# Altium PCB Cortes.PcbDoc (part 4 of 4)
Units mil, origin at the board's own origin, x right, y up, seen from the top; angles counter-clockwise.
Board outline 3686.1 x 4034 mil, 6 copper layers (Top Layer, GND, SL1, SL2, PWR, Bottom Layer), stack 33.672 mil thick; 267 components, 325 nets, 1122 pads, 1062 vias.
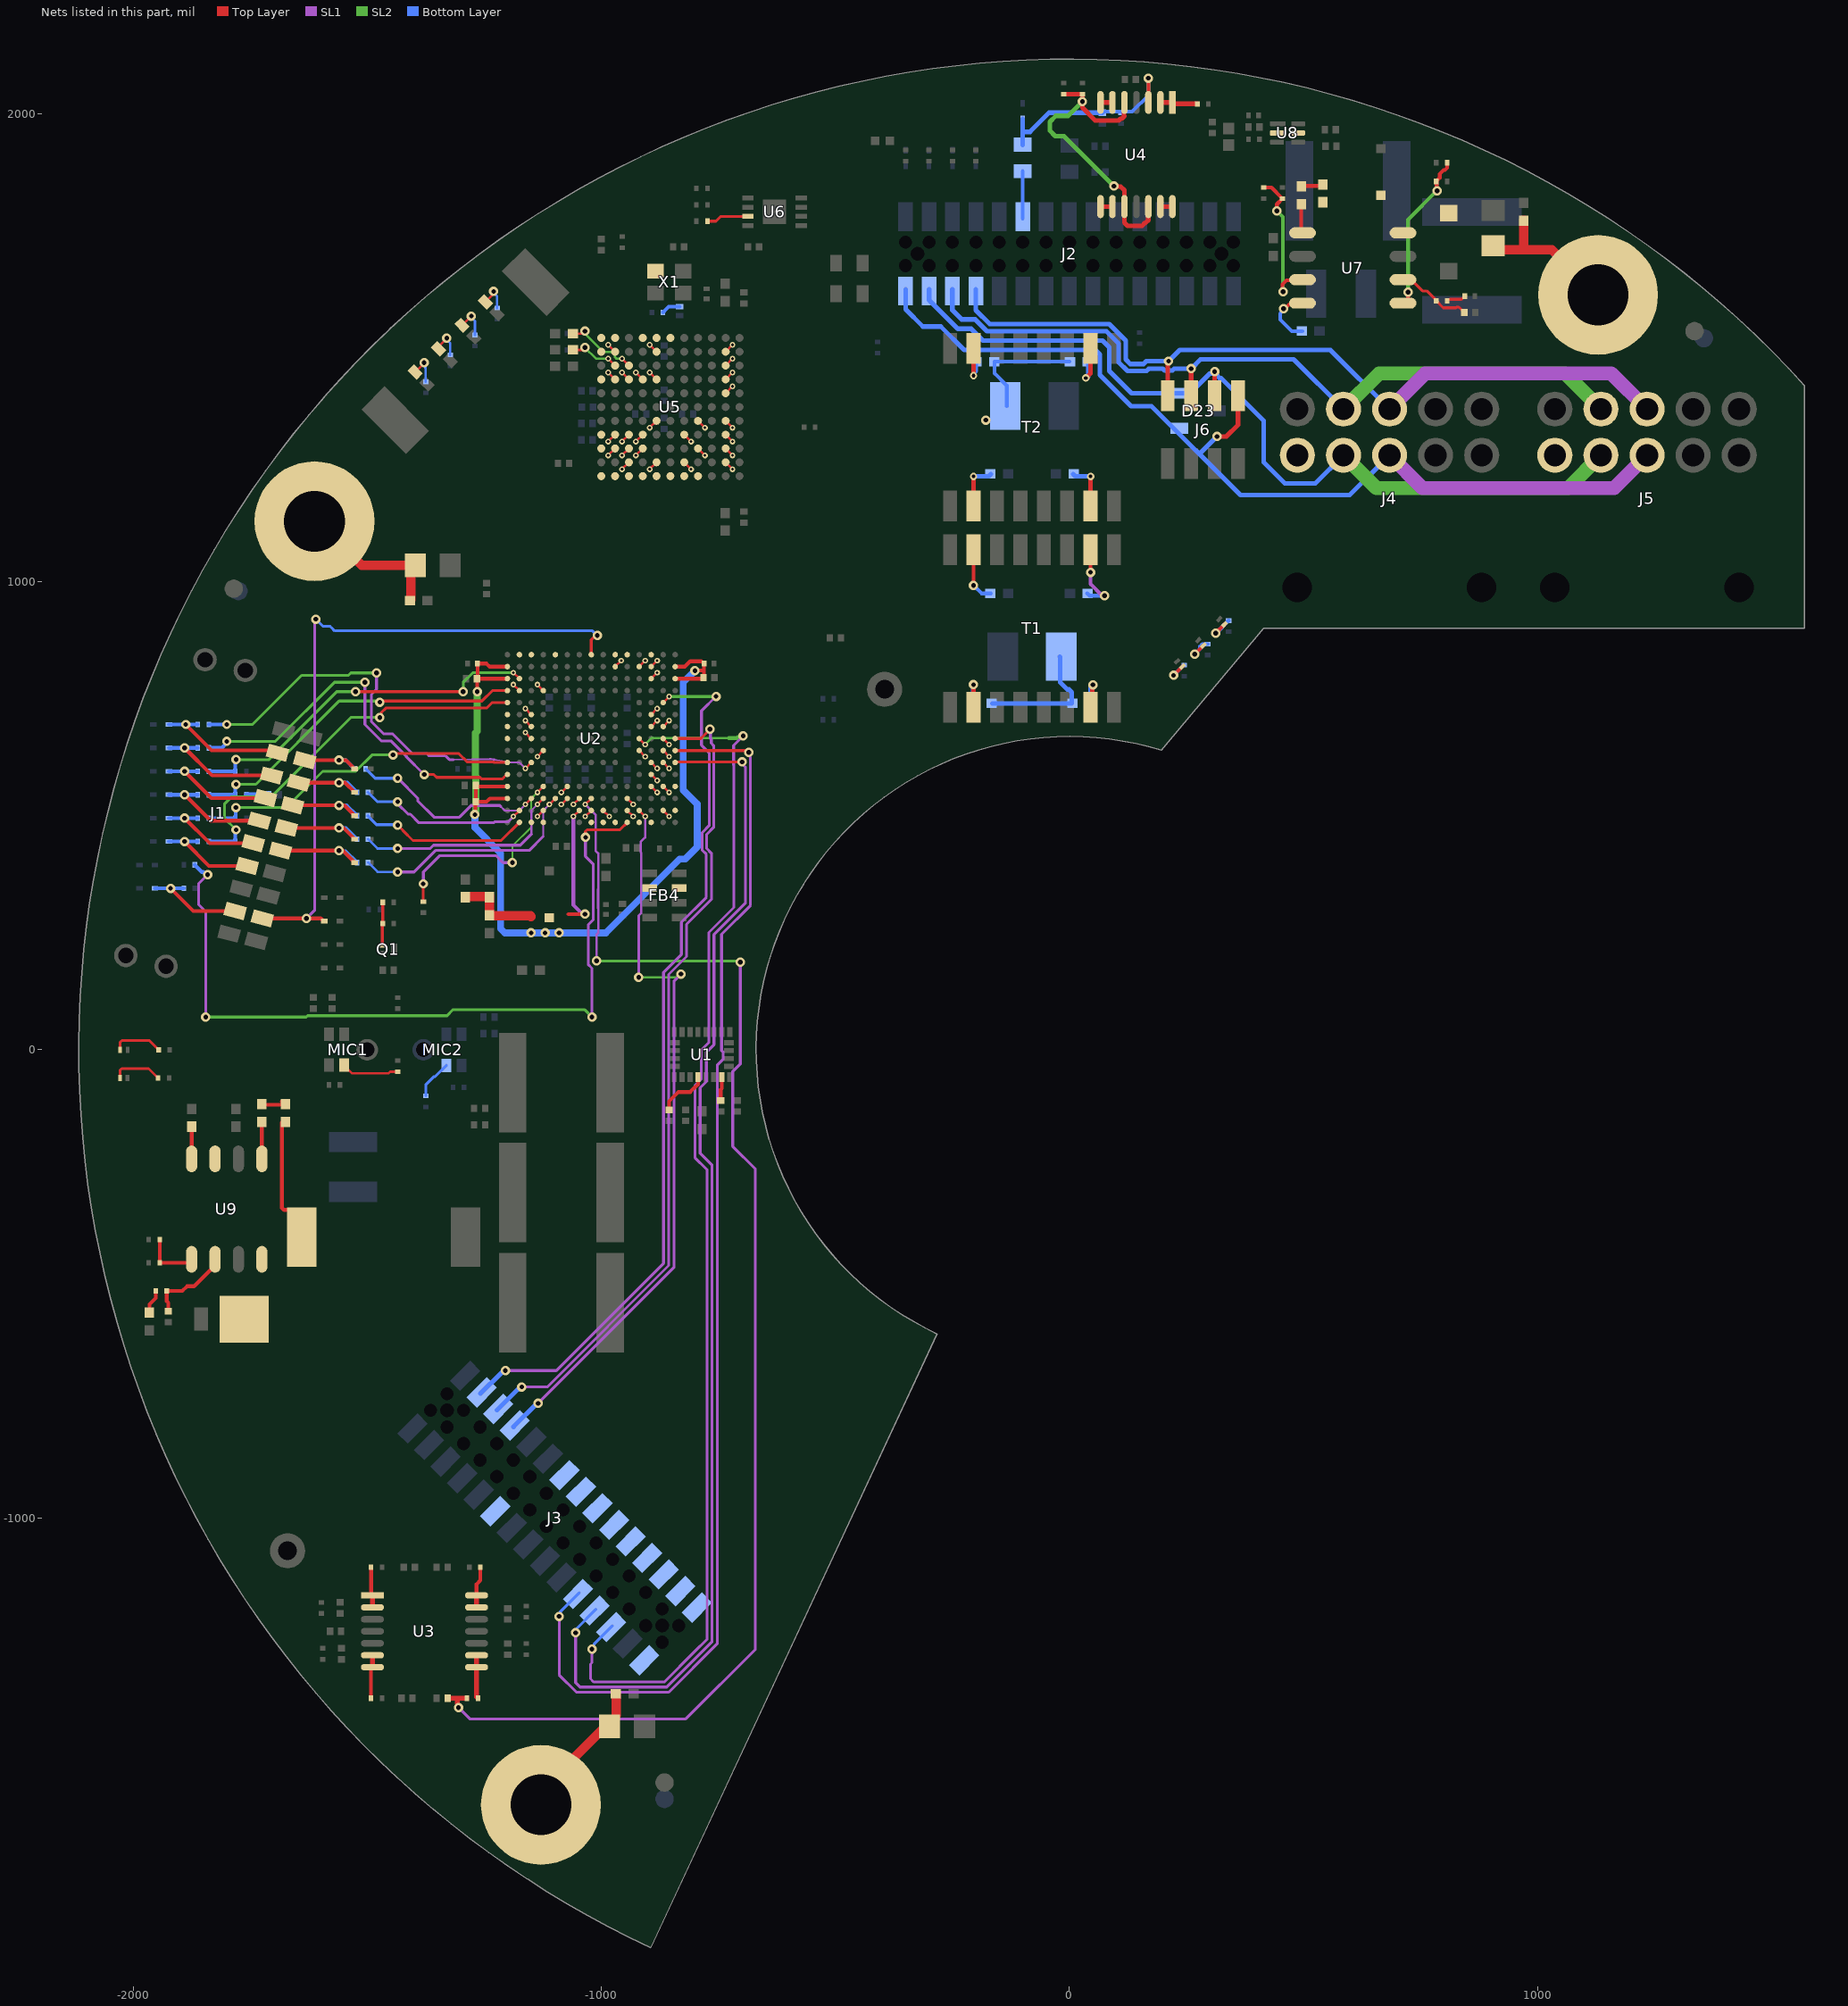
[diagram p8: the nets of this part, all layers, seen from the top]

## Via types
v1: diameter 20, hole 10, Top Layer to Bottom Layer, 497 vias
v2: diameter 20, hole 10, Top Layer to Bottom Layer, tented both sides, 332 vias
v3: diameter 12, hole 6, Top Layer to Bottom Layer, 205 vias
v4: diameter 14, hole 8, Top Layer to Bottom Layer, 21 vias
v5: diameter 16, hole 8, Top Layer to Bottom Layer, 6 vias
v6: diameter 12, hole 6, Top Layer to Bottom Layer, tented both sides, 1 vias

## Nets (pads, with @x,y where several pads share a name; then routed paths per layer and width w, separated by ;. In a path a pad name is that pad's centre, name@x,y a point inside that pad or via, vN(x,y) a via of type N, cw(c..) or ccw(c..) an arc to the next point about the centre after c; other vN are vias at no path point) (continued)
MOTOR_THERM3_ADC: C21.1 R42.2 U2.H3 | length 2936.1
  Top Layer w5: v3(-1034.21,524.2) U2.H3@-1021.42,536.99
  Top Layer w10: C21.1@-1328.19,-1385 -1307.5,-1385 ; v1(-1305,-1405) -1306.91,-1403.09 -1306.91,-1396.02 -1307.5,-1395.43 -1307.5,-1385 ; R42.2@-1286.81,-1385 -1307.5,-1385
  SL1 w5: v3(-1034.21,524.2) -1012,501.98 -1012,425.34 -1006.5,419.84 -1006.5,383.45 -1006.5,343.19 -1006.82,342.88 -1006.82,302.12 -1006.5,301.8 -1006.5,249.68 -1010,246.18 v1(-1010,190)
  SL1 w6: v1(-1305,-1405) -1281,-1429 -819.56,-1429 -671,-1280.44 -671,-254.56 -719.38,-206.18 -719.38,-46.3 -703,-29.93 v1(-703,187.46)
  SL2 w6: v1(-1010,190) -705.54,190 v1(-703,187.46)
nBUTTON: D2.K J1.18 U2.H15 | length 1447.2
  Top Layer w6: U2.H15@-1021.42,844.08 -1021.42,876.02 -1017.9,879.53 -1017.76,879.53 -1012.29,885 v1(-1008.5,885)
  Top Layer w8: J1.18@-1724.17,280.83 v1(-1630,280.83) -1599.31,280.83 -1594.62,276.14 -1594.62,275.92 -1593.7,275 D2.K@-1591.54,275
  SL1 w6: v1(-1630,280.83) -1612,298.83 -1612,918 v1(-1610,920)
  Bottom Layer w6: v1(-1610,920) -1595,905 -1580,905 -1576,901 -1575.44,901 -1569.44,895 -1315.71,895 -1019.01,895 -1009.01,885 v1(-1008.5,885)
nECAT_EEPROM_EN: R49.2 U6.7 | length 90.1
  Top Layer w6: R49.2@-773.19,1770 -755,1770 -745,1780 -720,1780 ; -719.84,1780.16 U6.7@-687.09,1780.16
NetC1_1: C1.1 M3.1 R1.2 | length 322.3
  Top Layer w20: R1.2@905,1708.74 1030.18,1708.74 M3.1@1126.32,1612.6 ; 970,1711.15 C1.1@970,1772.28
NetC5_1: C5.1 U1.21 | length 110.5
  Top Layer w8: C5.1@-855,-128.19 -855,-110 -835,-90 -810,-90 -798.46,-78.46 -798.15,-78.46 -793.46,-73.78 U1.21@-793.46,-58.03
NetC6_1: C6.1 U1.24 | length 51.1
  Top Layer w8: C6.1@-745,-108.19 -745,-85 -742.68,-82.68 U1.24@-742.68,-58.03
NetC12_1: C12.1 R27.1 | length 46.4
  Bottom Layer w10: R27.1@-1758.19,545 C12.1@-1711.81,545
NetC18_1: C18.1 D18.K FB3.1 R37.1 U4.3 | length 446.3
  Top Layer w8: U4.3@168.54,2023.62 v1(168.54,2075.41)
  Bottom Layer w8: C18.1@67.6,2003.86 133.86,2003.86 168.54,2038.54 v1(168.54,2075.41)
  Bottom Layer w10: FB3.1@-100,1933.15 -100,1960.81 ; D18.K@-100,1988.46 -100,1960.81 ; C18.1@70,2001.81 -43.19,2001.81 -84.19,1960.81 -100,1960.81
NetC45_1: C45.1 R79.2 | length 44
  Top Layer w8: R79.2@495,1845.18 C45.1@538.99,1845.18
NetC45_2: C45.2 D24.K L2.1 U7.8
NetC52_1: C52.1 U7.4 | length 130.2
  Top Layer w8: v1(457,1583) 460.25,1583 469.26,1592.01 495.71,1592.01 U7.4@498.7,1595
  Bottom Layer w8: v1(457,1583) 457,1579.75 450,1572.75 450,1560 475,1535 C52.1@497.28,1535
NetC60_1: C60.1 T1.7 | length 120.3
  Top Layer w8: v1(-205,991.95) T1.7@-205,1067.91
  Bottom Layer w8: v1(-205,991.95) -188.05,975 C60.1@-167.72,975
NetC61_1: C61.1 T1.2 | length 152.6
  Top Layer w8: v1(45,1020) T1.2@45,1067.91
  SL1 w8: v1(45,1020) 45,995 70,970 v1(75,970)
  Bottom Layer w8: C61.1@37.72,975 42.72,970 v1(75,970)
NetC62_1: C62.1 T2.7 | length 102.3
  Top Layer w10: T2.7@45,1162.09 v5(45,1225)
  Bottom Layer w10: C62.1@7.72,1230 12.72,1225 v5(45,1225)
NetC63_1: C63.1 T2.2 | length 102.3
  Top Layer w10: T2.2@-205,1162.09 v5(-205,1225)
  Bottom Layer w10: v5(-205,1225) -172.72,1225 C63.1@-167.72,1230
NetC64_1: C64.1 R71.1 R72.1 | length 282.5
  Bottom Layer w10: R72.1@-164.82,740 4.82,740 4.82,763.87 -1.04,769.73 -4.73,769.73 -20,785 -20,839.06 C64.1@-20.94,840
NetC65_1: C65.1 R73.1 R74.1 | length 265.5
  Bottom Layer w8: C65.1@-134.06,1375 -134.06,1419.06 -160,1445 -160,1469.82 -159.82,1470 R74.1@-0.18,1470
  other v2: -178.91,1345.16
NetC95_1: C95.1 R62.2 U7.6 | length 163.2
  Top Layer w6: U7.6@711.3,1645 730,1645 753.93,1621.07 763.1,1621.07 783.19,1600.98 R62.2@783.19,1600 798.11,1585.08 825.35,1585.08 826.74,1586.48 831.71,1586.48 838.32,1579.87 839.3,1579.87 843.19,1575.98 C95.1@843.19,1575
NetC96_1: C96.1 R62.1 | length 43
  Top Layer w6: R62.1@806.81,1600 806.81,1600.98 808.73,1602.91 812.14,1602.91 812.25,1603.01 837.38,1603.01 841.07,1606.7 842.25,1606.7 844.37,1608.82 C96.1@844.37,1610
NetC97_1: C97.1 R80.2 | length 61.3
  Top Layer w8: R80.2@-1725,-114.82 -1722.54,-117.28 -1675,-117.28 C97.1@-1682.28,-110
NetC97_2: C97.2 D25.K L3.1 U9.8 | length 237.7
  Top Layer w8: C97.2@-1682.28,-155 -1682.28,-337.26 -1677.6,-341.94 -1667.69,-341.94 L3.1@-1640.2,-369.44
NetC98_1: C98.1 U9.4 | length 71
  Top Layer w8: U9.4@-1875,-233.7 C98.1@-1875,-162.72
NetC99_2: C99.2 R77.2 U9.6 | length 184.2
  Top Layer w8: C99.2@-1925,-558.19 -1925,-540 -1928.19,-536.81 R77.2@-1928.19,-515 -1895,-515 -1885,-505 -1870,-505 -1825,-460 U9.6@-1825,-446.3
NetC100_1: C100.1 R77.1 | length 52.7
  Top Layer w8: C100.1@-1965,-562.28 -1965,-543.5 -1951.81,-530.31 R77.1@-1951.81,-515
NetC102_1: C102.1 M1.1 R81.2 | length 241.4
  Top Layer w20: M1.1@-1129.13,-1582.87 R81.2@-991.26,-1445 ; R81.2@-967.72,-1421.46 C102.1@-967.72,-1375
NetC103_1: C103.1 M2.1 R82.2 | length 312
  Top Layer w20: M2.1@-1605.77,1129.13 -1511.64,1035 -1406.26,1035 C103.1@-1406.26,961.46
NetD4_K: D4.K J1.4 R15.1 | length 155.9
  Top Layer w8: J1.4@-1633.59,618.9 v1(-1560,618.9) -1545.44,618.9 D4.K@-1526.54,600
  Bottom Layer w8: v1(-1560,618.9) -1559.59,618.49 -1545.3,618.49 R15.1@-1526.81,600
NetD5_K: D5.K J1.6 R17.1 | length 175.3
  Top Layer w8: J1.6@-1646.53,570.61 v1(-1560,570.61) -1547.14,570.61 D5.K@-1526.54,550
  Bottom Layer w8: v1(-1560,570.61) -1542.42,570.61 R17.1@-1521.81,550
NetD6_K: D6.K J1.8 R19.1 | length 189.6
  Top Layer w8: J1.8@-1659.47,522.31 v1(-1560,522.31) -1548.85,522.31 D6.K@-1526.54,500
  Bottom Layer w8: v1(-1560,522.31) -1544.12,522.31 R19.1@-1521.81,500
NetD7_K: D7.K J1.10 R21.1 | length 204
  Top Layer w8: J1.10@-1672.41,474.01 v1(-1560,474.01) -1550.55,474.01 D7.K@-1526.54,450
  Bottom Layer w8: v1(-1560,474.01) -1559.53,473.54 -1545.36,473.54 R21.1@-1521.81,450
NetD8_K: D8.K J1.12 R23.1 | length 218.3
  Top Layer w8: J1.12@-1685.35,425.72 v1(-1560,425.72) -1552.25,425.72 D8.K@-1526.54,400
  Bottom Layer w8: v1(-1560,425.72) -1558.68,424.4 -1546.21,424.4 R23.1@-1521.81,400
NetD9_K: D9.K J1.3 R14.2 | length 282.7
  Top Layer w8: v1(-1887.48,695) -1832.48,640 -1697.11,640 J1.3@-1691.54,634.43
  Bottom Layer w8: D9.K@-1923.46,695 v1(-1887.48,695) R14.2@-1861.81,695
NetD10_K: D10.K J1.5 R16.2 | length 280.8
  Top Layer w8: v1(-1890,645) -1831.14,586.14 J1.5@-1704.48,586.14 J1.5@-1711.05,592.7
  Bottom Layer w8: D10.K@-1923.46,645 v1(-1890,645) R16.2@-1861.81,645
NetD11_K: D11.K J1.7 R18.2 | length 271.9
  Top Layer w8: v1(-1890,595) -1832.84,537.84 J1.7@-1717.42,537.84 J1.7@-1727.29,547.7
  Bottom Layer w8: D11.K@-1923.46,595 v1(-1890,595) R18.2@-1861.81,595
NetD12_K: D12.K J1.9 R20.2 | length 255.8
  Top Layer w8: v1(-1890,545) -1834.54,489.54 J1.9@-1730.36,489.54 J1.9@-1738.53,497.7
  Bottom Layer w8: D12.K@-1923.46,545 v1(-1890,545) R20.2@-1861.81,545
NetD13_K: D13.K J1.11 R22.2 | length 243
  Top Layer w8: v1(-1890,495) -1836.25,441.25 J1.11@-1743.31,441.25 J1.11@-1752.06,450
  Bottom Layer w8: D13.K@-1923.46,495 v1(-1890,495) R22.2@-1861.81,495
NetD14_K: D14.K J1.13 R24.2 | length 230.8
  Top Layer w8: v1(-1890,445) -1837.95,392.95 J1.13@-1756.25,392.95 J1.13@-1766,402.7
  Bottom Layer w8: D14.K@-1923.46,445 v1(-1890,445) R24.2@-1861.81,445
NetD16_K: D16.K J1.17 R26.2 | length 228.6
  Top Layer w8: v1(-1920,345) -1871.36,296.36 J1.17@-1782.13,296.36 J1.17@-1788.47,302.7
  Bottom Layer w8: D16.K@-1953.46,345 v1(-1920,345) R26.2@-1891.81,345
NetFB1_1: FB1.1 R50.2 | length 40.9
  Bottom Layer w8: R50.2@-868.19,1575 -868.19,1575.98 -867.27,1576.91 -866.28,1576.91 -855.86,1587.33 FB1.1@-832.93,1587.33
NetFB3_2: FB3.2 J2.20 | length 101.1
  Bottom Layer w8: J2.20@-100,1775.79 FB3.2@-100,1876.85
NetFB4_2: FB4.2
NetFB4_6: FB4.6
NetJ3_12: J3.12
NetJ3_13: J3.13
NetJ3_15: J3.15
NetJ3_17: J3.17
NetJ3_19: J3.19
NetJ3_21: J3.21
NetJ3_23: J3.23
NetJ3_25: J3.25
NetJ3_27: J3.27
NetJ3_29: J3.29
NetJ3_30: J3.30
NetJ4_10: J4.10
NetJ5_10: J5.10
NetLED1_K: LED1.K R31.2 | length 108.5
  Top Layer w6: LED1.K@-2027.6,0 -2027.6,16.49 -2024.09,20 -1965.33,20 R31.2@-1945.33,0
NetLED2_K: LED2.K R33.2 | length 107.3
  Top Layer w6: LED2.K@-2027.87,-60 -2027.87,-43.51 -2024.36,-40 -1966.81,-40 R33.2@-1946.81,-60
NetLED3_K: LED3.K R47.2 | length 71.8
  Top Layer w5: LED3.K@-1297.53,1547.53 -1277.71,1567.34 v1(-1277.59,1567.34)
  Bottom Layer w5: v1(-1277.59,1567.34) -1277.59,1564.5 -1270,1556.91 R47.2@-1270,1526.81
NetLED4_K: LED4.K R48.2 | length 68.6
  Top Layer w5: LED4.K@-1347.53,1497.53 -1347.53,1502.47 v1(-1330,1520)
  Bottom Layer w5: v1(-1330,1520) -1330,1517.1 -1322.47,1509.57 R48.2@-1322.47,1484.28
NetLED5_K: LED5.K R51.2 | length 70.9
  Top Layer w5: LED5.K@-1397.53,1447.53 -1378.54,1466.52 v1(-1378.54,1467.96)
  Bottom Layer w5: v1(-1378.54,1467.96) -1375.67,1465.09 -1375.67,1456.61 -1375,1455.94 R51.2@-1375,1426.81
NetLED6_K: LED6.K R54.2 | length 68.6
  Top Layer w5: LED6.K@-1247.53,1597.53 -1233.5,1611.56 -1233.5,1612.44 -1230,1615.94 v1(-1230,1620)
  Bottom Layer w5: v1(-1230,1620) -1230,1617.1 -1222.47,1609.57 R54.2@-1222.47,1584.28
NetLED7_K: LED7.K R59.1 | length 58.4
  Top Layer w8: v1(222.27,800) LED7.K@241.14,818.86
  Bottom Layer w8: v1(222.27,800) 244.08,821.81 R59.1@245,821.81
NetLED8_K: LED8.K R61.1 | length 66.5
  Top Layer w8: v1(267.27,845) LED8.K@286.14,863.86
  Bottom Layer w8: v1(267.27,845) 279.09,856.82 279.09,862.12 283.78,866.81 R61.1@295,866.81
NetLED9_K: LED9.K R64.1 | length 64.6
  Top Layer w8: v1(312.27,890) LED9.K@331.14,908.86
  Bottom Layer w8: v1@313.19,890 R64.1@340,916.81
NetMIC2_2: MIC2.2 R8.2 | length 85.2
  Bottom Layer w6: R8.2@-1375,-98.19 -1375,-74.54 -1357.46,-57 -1354.74,-57 MIC2.2@-1330.71,-32.97
NetQ1_1: Q1.1 R29.2 R30.2 | length 93.5
  Top Layer w6: Q1.1@-1467.8,221.89 -1467.8,269.02 R29.2@-1466.81,270 R30.2@-1466.81,315
NetR36_1: R36.1 U3.1 U3.2 | length 86.9
  Top Layer w9: R36.1@-1491.81,-1105 -1491.81,-1162.17 U3.1@-1488.86,-1165.12
  Top Layer w10: U3.2@-1488.86,-1190.71 U3.1@-1488.86,-1165.12
NetR38_1: R38.1 U4.1 U4.2 | length 80.7
  Top Layer w10: U4.2@194.13,2023.62 U4.1@219.72,2023.62 219.72,2022.48 221.61,2020.59 R38.1@272.95,2020.59
NetR40_1: R40.1 U3.6 U3.7 | length 93.2
  Top Layer w8: R40.1@-1491.81,-1385 -1491.81,-1321.61 U3.7@-1488.86,-1318.66
  Top Layer w10: U3.7@-1488.86,-1318.66 U3.6@-1488.86,-1293.07
NetR42_1: R42.1 U3.8 U3.9 | length 93.3
  Top Layer w10: U3.9@-1266.42,-1293.07 U3.8@-1266.42,-1318.66 -1266.42,-1381.77 R42.1@-1263.19,-1385
NetR44_1: R44.1 U3.13 U3.14 | length 89.1
  Top Layer w8: U3.14@-1266.42,-1165.12 -1266.42,-1141.42 -1258.19,-1133.19 R44.1@-1258.19,-1105
  Top Layer w10: U3.13@-1266.42,-1190.71 U3.14@-1266.42,-1165.12
NetR55_1: R55.1 R56.2 U7.3 | length 323.7
  Top Layer w8: R55.1@415,1841.81 431.38,1841.81 453.09,1820.09 453.09,1819.11 454.02,1818.19 R56.2@455,1818.19 443.01,1806.2 v1(443.01,1791.99) ; v1(456.06,1619.25) 455,1620.32 455,1635 463.66,1643.66 497.36,1643.66 U7.3@498.7,1645
  SL2 w8: v1(443.01,1791.99) 456.06,1778.94 v1(456.06,1619.25)
NetR57_1: R57.1 R58.2 U7.5 | length 344.9
  Top Layer w8: U7.5@711.3,1595 716.04,1595 723.25,1602.22 v2(723.25,1618.19) ; v2@784.09,1835.91 784.09,1854.09 R58.2@783.19,1855 783.19,1855.98 784.11,1856.91 785.09,1856.91 790.78,1862.59 790.78,1870.78 799.09,1879.09 802.12,1879.09 806.81,1883.78 R57.1@806.81,1895
  SL2 w8: v2(723.25,1618.19) 723.25,1773.25 v2(785,1835)
NetR63_1: R63.1 R78.2 U9.5 | length 121.8
  Top Layer w8: R78.2@-1943.19,-405 R63.1@-1943.19,-455 -1883.7,-455 U9.5@-1875,-446.3
NetR71_2: R71.2 T1.15 | length 91.7
  Top Layer w10: T1.15@45,732.09 48.83,735.91 48.83,778.3 v1(50.26,779.74)
  Bottom Layer w10: R71.2@45.18,740 45.18,771.94 50.26,777.03 v1(50.26,779.74)
NetR72_2: R72.2 T1.10 | length 88
  Top Layer w10: T1.10@-205,732.09 v1(-205,780)
  Bottom Layer w10: R72.2@-205.18,740 -205.18,779.82 v1(-205,780)
NetR73_2: R73.2 T2.15 | length 90.1
  Top Layer w10: v5(-205,1440) T2.15@-205,1497.91
  Bottom Layer w10: v5(-205,1440) -203.85,1441.15 -203.85,1446.31 -200,1450.16 -200,1469.82 R73.2@-200.18,1470
NetR74_2: R74.2 T2.10 | length 105.7
  Top Layer w10: v5(35,1435) 45,1445 T2.10@45,1497.91
  Bottom Layer w10: v5(35,1435) 37.49,1435 40.18,1437.68 R74.2@40.18,1470
NetR75_1: R75.1 R76.2 U4.5 U4.10 U4.12 | length 679
  Top Layer w10: R76.2@-12.4,2041.14 R75.1@27.6,2041.14 v1(27.6,2025.41) 27.6,2012.4 55,1985 105,1985 108.88,1988.88 111.5,1988.88 117.36,1994.74 116.43,1995.67 116.43,2003.95 117.36,2004.88 U4.5@117.36,2023.62 ; v1(95,1845) 96.04,1843.96 109.32,1843.96 117.36,1835.92 U4.10@117.36,1801.18 117.36,1766.44 123.8,1760 155,1760 161.44,1766.44 162.69,1766.44 168.54,1772.3 U4.12@168.54,1801.18
  SL2 w10: v1(27.6,2025.41) -2.81,1995 -29.14,1995 -41.83,1982.31 -41.83,1963.55 -30.12,1951.83 -11.83,1951.83 v1(95,1845)
NetR79_1: R79.1 U7.1 | length 61.4
  Top Layer w8: R79.1@495,1804.82 495,1748.7 U7.1@498.7,1745
NetR80_1: R80.1 U9.1 | length 78.5
  Top Layer w8: U9.1@-1725,-233.7 R80.1@-1725,-155.18
NetR85_1: R85.1 U5.J9 | length 155.5
  Top Layer w5: R85.1@-1059.82,1530 -1040.47,1530 v2@-1035.47,1535 ; v3(-955.81,1476.38) U5.J9@-941.04,1461.62
  SL2 w5: v2(-1035,1535) -1035,1530 -995.88,1490.88 -979.33,1490.88 -970.83,1482.39 -970.83,1479.31 -967.91,1476.38 v3(-955.81,1476.38)
NetR86_1: R86.1 U5.J10 | length 106.7
  Top Layer w5: R86.1@-1059.82,1495 -1040.47,1495 v2@-1035.47,1500 ; v3(-985.33,1476.38) U5.J10@-970.57,1461.62
  SL2 w5: v2(-1035,1500) -1011.38,1476.38 v3(-985.33,1476.38)
NetU2_A8: U2.A8
NetU2_A9: U2.A9
NetU2_A10: U2.A10
NetU2_B12: U2.B12 | length 18.1
  Top Layer w5: v3(-1187.76,780.1) U2.B12@-1174.96,767.31
NetU2_B15: U2.B15
NetU2_C1: U2.C1
NetU2_C8: U2.C8 | length 18.1
  Top Layer w5: v3(-1162.17,677.74) U2.C8@-1149.37,664.94
NetU2_C9: U2.C9 | length 18.1
  Top Layer w5: v3(-1162.17,703.33) U2.C9@-1149.37,690.54
NetU2_C10: U2.C10 | length 18.1
  Top Layer w5: v3(-1162.17,728.92) U2.C10@-1149.37,716.13
NetU2_C15: U2.C15
NetU2_D1: U2.D1
NetU2_D2: U2.D2 | length 18.1
  Top Layer w5: v3(-1136.57,498.61) U2.D2@-1123.78,511.4
NetU2_D7: U2.D7 | length 18.1
  Top Layer w5: v3(-1136.57,626.56) U2.D7@-1123.78,639.35
NetU2_D12: U2.D12 | length 18.1
  Top Layer w5: v3(-1136.57,780.1) U2.D12@-1123.78,767.31
NetU2_E15: U2.E15
NetU2_F3: U2.F3 | length 18.1
  Top Layer w5: v3(-1085.39,524.2) U2.F3@-1072.6,536.99
NetU2_F4: U2.F4 | length 18.1
  Top Layer w5: v3(-1085.39,549.79) U2.F4@-1072.6,562.58
NetU2_G3: U2.G3 | length 18.1
  Top Layer w5: v3(-1059.8,524.2) U2.G3@-1047.01,536.99
NetU2_H1: U2.H1
NetU2_H2: U2.H2 | length 18.1
  Top Layer w5: v3(-1034.21,498.61) U2.H2@-1021.42,511.4
NetU2_J1: U2.J1
NetU2_J2: U2.J2 | length 18.1
  Top Layer w5: U2.J2@-995.83,511.4 v3(-983.03,498.61)
NetU2_K1: U2.K1
NetU2_K14: U2.K14 | length 18.1
  Top Layer w5: U2.K14@-970.24,818.49 v3(-957.44,831.28)
NetU2_K15: U2.K15
NetU2_L2: U2.L2 | length 18.1
  Top Layer w5: U2.L2@-944.65,511.4 v3(-931.85,498.61)
NetU2_L3: U2.L3 | length 18.1
  Top Layer w5: U2.L3@-944.65,536.99 v3(-931.85,524.2)
NetU2_L15: U2.L15
NetU2_M1: U2.M1
NetU2_M7: U2.M7 | length 18.1
  Top Layer w5: U2.M7@-919.05,639.35 v3(-906.26,626.56)
NetU2_M14: U2.M14 | length 18.1
  Top Layer w5: U2.M14@-919.05,818.49 v3(-906.26,831.28)
NetU2_N1: U2.N1
NetU2_N4: U2.N4 | length 18.1
  Top Layer w5: U2.N4@-893.46,562.58 v3(-880.67,549.79)
NetU2_N5: U2.N5 | length 18.1
  Top Layer w5: U2.N5@-893.46,588.17 v3(-880.67,575.38)
NetU2_N6: U2.N6 | length 18.1
  Top Layer w5: U2.N6@-893.46,613.76 v3(-880.67,600.97)
NetU2_N9: U2.N9 | length 18.1
  Top Layer w5: U2.N9@-893.46,690.54 v3(-880.67,703.33)
NetU2_N10: U2.N10 | length 18.1
  Top Layer w5: U2.N10@-893.46,716.13 v3(-880.67,728.92)
NetU2_N13: U2.N13 | length 18.1
  Top Layer w5: U2.N13@-893.46,792.9 v3(-880.67,805.69)
NetU2_N14: U2.N14 | length 18.1
  Top Layer w5: U2.N14@-893.46,818.49 v3(-880.67,831.28)
NetU2_N15: U2.N15
NetU2_P2: U2.P2 | length 18.1
  Top Layer w5: U2.P2@-867.87,511.4 v3(-855.08,498.61)
NetU2_P4: U2.P4 | length 18.1
  Top Layer w5: U2.P4@-867.87,562.58 v3(-855.08,549.79)
NetU2_P6: U2.P6 | length 18.1
  Top Layer w5: U2.P6@-867.87,613.76 v3(-855.08,600.97)
NetU2_P7: U2.P7 | length 18.1
  Top Layer w5: U2.P7@-867.87,639.35 v3(-855.08,626.56)
NetU2_P8: U2.P8 | length 18.1
  Top Layer w5: U2.P8@-867.87,664.94 v3(-855.08,652.15)
NetU2_P9: U2.P9 | length 18.1
  Top Layer w5: U2.P9@-867.87,690.54 v3(-855.08,703.33)
NetU2_R2: U2.R2
NetU2_R4: U2.R4
NetU4_6: U4.6 U4.7 | length 25.6
  Top Layer w10: U4.7@66.18,2023.62 U4.6@91.77,2023.62
NetU4_8: U4.8 U4.9 | length 25.6
  Top Layer w10: U4.8@66.18,1801.18 U4.9@91.77,1801.18
NetU4_13: U4.13 U4.14 | length 25.6
  Top Layer w10: U4.13@194.13,1801.18 U4.14@219.72,1801.18
NetU5_A4: U5.A4
NetU5_A5: U5.A5
NetU5_A6: U5.A6
NetU5_A7: U5.A7
NetU5_A8: U5.A8
NetU5_A9: U5.A9
NetU5_A10: U5.A10
NetU5_A11: U5.A11
NetU5_B2: U5.B2 | length 20.9
  Top Layer w5: U5.B2@-734.35,1254.93 v3(-719.59,1240.16)
NetU5_B5: U5.B5 | length 20.9
  Top Layer w5: U5.B5@-822.93,1254.93 v3(-808.17,1240.16)
NetU5_B7: U5.B7 | length 20.9
  Top Layer w5: v3(-896.75,1240.16) U5.B7@-881.99,1254.93
NetU5_B9: U5.B9 | length 20.9
  Top Layer w5: v3(-955.81,1240.16) U5.B9@-941.04,1254.93
NetU5_C2: U5.C2 | length 20.9
  Top Layer w5: U5.C2@-734.35,1284.45 v3(-719.59,1269.69)
NetU5_C4: U5.C4 | length 20.9
  Top Layer w5: U5.C4@-793.41,1284.45 v3(-778.64,1269.69)
NetU5_C8: U5.C8 | length 20.9
  Top Layer w5: v3(-926.28,1269.69) U5.C8@-911.52,1284.45
NetU5_C9: U5.C9 | length 20.9
  Top Layer w5: v3(-955.81,1269.69) U5.C9@-941.04,1284.45
NetU5_C10: U5.C10 | length 20.9
  Top Layer w5: v3(-985.33,1269.69) U5.C10@-970.57,1284.45
NetU5_C11: U5.C11
NetU5_D2: U5.D2 | length 20.9
  Top Layer w5: U5.D2@-734.35,1313.98 v3(-719.59,1299.22)
NetU5_D5: U5.D5 | length 20.9
  Top Layer w5: U5.D5@-822.93,1313.98 v3(-808.17,1299.22)
NetU5_D8: U5.D8 | length 20.9
  Top Layer w5: v3(-926.28,1299.22) U5.D8@-911.52,1313.98
NetU5_D9: U5.D9 | length 21.2
  Top Layer w5: v3(-955.81,1299.22) U5.D9@-941.04,1313.98 U5.D9@-941.35,1313.98
NetU5_D10: U5.D10 | length 20.9
  Top Layer w5: v3(-985.33,1299.22) U5.D10@-970.57,1313.98
NetU5_D11: U5.D11
NetU5_E2: U5.E2 | length 20.9
  Top Layer w5: U5.E2@-734.35,1343.51 v3(-719.59,1328.74)
NetU5_E4: U5.E4 | length 20.9
  Top Layer w5: U5.E4@-793.41,1343.51 v3(-778.64,1328.74)
NetU5_E7: U5.E7 | length 20.9
  Top Layer w5: v3(-896.75,1328.74) U5.E7@-881.99,1343.51
NetU5_G2: U5.G2 | length 20.9
  Top Layer w5: U5.G2@-734.35,1402.56 v3(-719.59,1417.33)
NetU5_H2: U5.H2 | length 20.9
  Top Layer w5: U5.H2@-734.35,1432.09 v3(-719.59,1446.85)
NetU5_H7: U5.H7 | length 20.9
  Top Layer w5: v3(-896.75,1446.85) U5.H7@-881.99,1432.09
NetU5_H8: U5.H8 | length 20.9
  Top Layer w5: v3(-926.28,1446.85) U5.H8@-911.52,1432.09
NetU5_H9: U5.H9 | length 20.9
  Top Layer w5: v3(-955.81,1446.85) U5.H9@-941.04,1432.09
NetU5_H10: U5.H10 | length 20.9
  Top Layer w5: v3(-985.33,1446.85) U5.H10@-970.57,1432.09
NetU5_H11: U5.H11
NetU5_J2: U5.J2 | length 20.9
  Top Layer w5: U5.J2@-734.35,1461.62 v3(-719.59,1476.38)
NetU5_K2: U5.K2 | length 20.9
  Top Layer w5: U5.K2@-734.35,1491.15 v3(-719.59,1505.91)
NetU5_K7: U5.K7 | length 20.9
  Top Layer w5: v3(-896.75,1505.91) U5.K7@-881.99,1491.15
NetU5_K10: U5.K10 | length 20.9
  Top Layer w5: v3(-985.33,1505.91) U5.K10@-970.57,1491.15
NetU5_K11: U5.K11
NetU5_L6: U5.L6
NetU5_L7: U5.L7
NetU5_L8: U5.L8
NetU5_L10: U5.L10
NetU5_L11: U5.L11
NetU8_2: U8.2
NetU8_5: U8.5
NetU9_3: U9.3
NetX1_1: X1.1
nRST: R25.1 U2.L1 | length 1701.2
  Top Layer w6: v1(-1033.5,454.01) -1034.01,454.52 -1034.01,466.39 -1030.49,469.91 -960.55,469.91 U2.L1@-944.65,485.81
  SL1 w6: v1(-1845,70) -1845,295 -1860,310 -1860,355.1 v1(-1840.92,374.18) ; v1(-1033.5,454.01) -1034.01,453.5 -1034.01,413.52 -1017.5,397.01 -1017.5,383.45 -1017.5,277.5 -1028,267 -1028,182.54 -1020,174.54 v1(-1020,70)
  SL2 w6: v1(-1845,70) -1630.46,70 -1627.46,73 -1329.54,73 -1316.54,86 -1036,86 v1(-1020,70)
  Bottom Layer w8: R25.1@-1868.19,395 -1853.19,380 -1849.98,380 -1844.17,374.18 v1(-1840.92,374.18)
PDR_ON: R10.1 U2.D4 | length 464.2
  Top Layer w5: v3(-1136.57,549.79) U2.D4@-1123.78,562.58
  Top Layer w6: v1(-1380.37,354.63) -1380.18,354.45 -1380.18,316.99 R10.1@-1380,316.81
  SL1 w6: v1(-1380.37,354.63) -1380,355 -1380,380 -1345,415 -1315.71,415 -1225,415 -1210,400 v1(-1190,400)
  SL2 w4: v1(-1190,400) -1190,435 -1149.67,475.33 -1149.67,536.7 v3(-1136.57,549.79)
RTN1: J2.23 J4.3 J5.3 J6.1 | length 1751.2
  Top Layer w10: J6.1@210,1397.54 210,1469.53 v1(211.56,1471.09)
  SL1 w30: J4.3@683.59,1368.58 760,1445 1157.17,1445 J5.3@1233.59,1368.58
  Bottom Layer w10: J2.23@-200,1624.21 -200,1580 -170,1550 85,1550 120,1515 120,1475 130,1465 158.28,1465 164.37,1471.09 v1(211.56,1471.09) 235.47,1495 557.17,1495 J4.3@683.59,1368.58
RTN2: J2.25 J4.4 J5.4 J6.3 | length 1685.1
  Top Layer w10: J6.3@260,1397.54 v1(260,1455)
  SL2 w30: J4.4@585.16,1368.58 661.58,1445 1058.74,1445 J5.4@1135.16,1368.58
  Bottom Layer w10: J2.25@-250,1624.21 -250,1580 -230,1560 -201.21,1560 -176.21,1535 78.79,1535 105,1508.79 105,1468.79 123.79,1450 130.86,1450 140,1450 164.5,1450 169.5,1455 199.36,1455 203.27,1451.09 219.84,1451.09 223.75,1455 v1(260,1455) 280,1475 478.74,1475 J4.4@585.16,1368.58
SELECT1: MIC1.2 R4.1 | length 122.9
  Top Layer w5: MIC1.2@-1549.29,-32.97 -1531.94,-50.32 -1454.41,-50.32 -1450.91,-46.81 R4.1@-1435,-46.81
STO1: D23.1 J2.29 J4.8 J5.8 J6.7 | length 2075.1
  Top Layer w10: v1(315,1310) 335,1310 360,1335 J6.7@360,1397.54
  SL1 w30: J4.8@683.59,1270.16 753.74,1200 1163.43,1200 J5.8@1233.59,1270.16
  Bottom Layer w10: J2.29@-350,1624.21 -350,1581.73 -313.27,1545 -275,1545 -224.84,1494.84 55.74,1494.84 65,1485.58 65,1441.72 131.72,1375 175,1375 365,1185 598.43,1185 J4.8@683.59,1270.16 ; 281.29,1276.29 v1(315,1310)
STO2: D23.2 J2.27 J4.9 J5.9 J6.5 | length 1876.4
  Top Layer w10: J6.5@310,1397.54 309.79,1397.75 309.79,1448.53 v1(309.98,1448.72)
  SL2 w30: J4.9@585.16,1270.16 655.32,1200 1065,1200 J5.9@1135.16,1270.16
  Bottom Layer w10: J2.27@-300,1624.21 -300,1601.72 -238.28,1540 -210,1540 -185,1515 70.5,1515 85,1500.5 85,1450 132.6,1402.4 D23.2@234.65,1402.4 257.49,1402.4 263.35,1408.26 263.35,1408.35 299.17,1444.17 302.72,1444.17 307.27,1448.72 v1(309.98,1448.72) 309.98,1446.01 314.98,1441.01 314.98,1440.34 320.84,1434.48 324.42,1434.48 415,1343.9 415,1255 460,1210 525,1210 J4.9@585.16,1270.16
TCK_SWCLK: R20.1 R27.2 U2.A12 | length 743.7
  Top Layer w6: v1(-1473,742.46) -1470.46,745 -1315.71,745 -1255,745 -1232.69,767.31 U2.A12@-1200.55,767.31
  SL2 w6: v1(-1780,567.14) -1737.86,567.14 -1560,745 -1475.54,745 v1(-1473,742.46)
  Bottom Layer w8: R20.1@-1838.19,545 R27.2@-1781.81,545 -1781.81,565.32 v1(-1780,567.14)
TDI: R11.1 R24.1 U2.A11 | length 845.8
  Top Layer w6: v1(-1473,710) -1470.32,712.68 -1470.32,719.68 -1460,730 -1245,730 -1233.28,741.72 U2.A11@-1200.55,741.72
  SL2 w6: v1(-1780,470) -1805,495 -1805,525 -1790,540 -1705,540 -1535,710 v1(-1473,710)
  Bottom Layer w8: R24.1@-1838.19,445 R11.1@-1781.81,445 -1781.81,468.19 v1(-1780,470)
TDO_SWO: R12.1 R22.1 U2.A6 | length 715.2
  Top Layer w6: v1(-1445,630) -1441.21,630 -1438.21,633 -1315.71,633 -1304.41,633 -1286.6,615.19 -1230.39,615.19 -1228.96,613.76 U2.A6@-1200.55,613.76
  SL2 w6: v1(-1780.45,517.63) -1672.37,517.63 -1595,595 -1525,595 -1490,630 v1(-1445,630)
  Bottom Layer w8: R22.1@-1838.19,495 R12.1@-1781.81,495 -1780.91,495.91 -1780.91,517.18 v1(-1780.45,517.63)
TMS_SWDIO: R13.1 R18.1 U2.B13 | length 781.1
  Top Layer w5: v3(-1187.76,805.69) U2.B13@-1174.96,792.9
  Top Layer w6: v1(-1525,765) v1(-1295,765)
  SL2 w6: v1(-1780,620) -1710,620 -1565,765 v1(-1525,765) ; v1(-1295,765) -1295,785 -1274.31,805.69 v3(-1187.76,805.69)
  Bottom Layer w8: R18.1@-1838.19,595 R13.1@-1781.81,595 -1781.81,618.19 v1(-1780,620)
TR_CLK: R15.2 U2.C3 | length 425.5
  Top Layer w5: v3(-1162.17,524.2) U2.C3@-1149.37,536.99
  SL1 w4: -1215,520 -1206.11,511.11 -1175.26,511.11 v3(-1162.17,524.2)
  SL1 w6: v1(-1435,580) -1434.54,580 -1392,537.46 -1392,531.54 -1357.46,497 -1315.71,497 -1303,497 -1278,522 -1217,522 -1215,520
  Bottom Layer w6: R15.2@-1503.19,600 -1483.19,580 v1(-1435,580)
TR_DATA0: R17.2 U2.B2 | length 363.7
  Top Layer w5: v3(-1187.76,498.61) U2.B2@-1174.96,511.4
  SL1 w6: v1(-1435,530) -1435,525.62 -1412.65,503.27 -1407.81,503.27 -1389.54,485 -1315.71,485 -1230,485 -1228,487 -1199.36,487 v3(-1187.76,498.61)
  Bottom Layer w6: R17.2@-1498.19,550 -1478.19,530 v1(-1435,530)
TR_DATA1: R19.2 U2.B1 | length 362.1
  Top Layer w6: v1(-1435,480) -1423,468 -1423,467.54 -1402.46,447 -1315.71,447 -1213.77,447 U2.B1@-1174.96,485.81
  Bottom Layer w6: R19.2@-1498.19,500 -1498.19,499.02 -1480.17,481 -1436,481 v1(-1435,480)
TR_DATA2: R21.2 U2.D3 | length 456.8
  Top Layer w5: v3(-1136.57,524.2) U2.D3@-1123.78,536.99
  SL1 w4: -1149.37,460.63 -1149.37,511.4 v3(-1136.57,524.2)
  SL1 w6: v1(-1435,430) -1365.56,430 -1358.56,437 -1315.71,437 -1173,437 -1149.37,460.63
  Bottom Layer w5: R21.2@-1498.19,450 -1478.19,430 v1(-1435,430)
TR_DATA3: R23.2 U2.E3 | length 505.6
  Top Layer w5: v3(-1110.98,524.2) U2.E3@-1098.19,536.99
  SL1 w4: -1124.07,455.93 -1124.07,511.11 v3(-1110.98,524.2)
  SL1 w6: v1(-1435,380) -1400,380 -1354,426 -1315.71,426 -1154,426 -1124.07,455.93
  Bottom Layer w5: R23.2@-1498.19,400 -1478.19,380 v1(-1435,380)
VA_ADC: J3.22 U2.R7 | length 2685.5
  Top Layer w6: U2.R7@-842.28,639.35 -727.13,639.35 -692.65,639.35 -688.58,635.29 v1(-684.79,635.29)
  SL1 w6: v1(-1090,-1210) -1090,-1335 -1053,-1372 -855.89,-1372 -752.38,-1268.49 -752.38,-32.64 -739.6,-19.86 -739.6,-4.95 -743,-1.54 -743,247 -681.41,308.59 -681.41,624.77 -682.12,625.48 -682.12,632.61 v1(-684.79,635.29)
  Bottom Layer w6: v1(-1090,-1210) -1087.32,-1207.32 -1087.32,-1199.88 J3.22@-1047.1,-1159.66
VB_ADC: J3.24 U2.R6 | length 2586
  Top Layer w6: U2.R6@-842.28,613.76 -841.17,614.88 -837.06,614.88 -836.94,615 v1(-699.41,615)
  SL1 w6: v1(-1055,-1245) -1055,-1351.49 -1045.49,-1361 -860.44,-1361 -790,-1290.56 -763.38,-1263.93 -763.38,-246.62 -789,-221 -789,-81.01 -775.6,-67.61 -775.6,-4.95 -759.39,11.26 -759.39,246.16 -692.41,313.15 -692.41,604.49 -699.41,611.49 v1(-699.41,615)
  Bottom Layer w6: v1(-1055,-1245) -1052.32,-1242.32 -1052.32,-1235.59 J3.24@-1011.74,-1195.01
VC_ADC: J3.26 U2.M8 | length 2640
  Top Layer w5: U2.M8@-919.05,664.94 v3(-906.26,652.15)
  SL1 w6: v1(-1020,-1280) -1020,-1309.12 -1023,-1312.12 -1023,-1343.49 -1016.49,-1350 -865,-1350 -800,-1285 -774.38,-1259.38 -774.38,-255.62 -800,-230 -800,-76.46 -786.6,-63.06 -786.6,-0.39 -770.39,15.82 -770.39,250.72 -717,304.11 -717,608.26 -717.41,608.67 -717.41,650.16 v1(-696.95,670.61)
  SL2 w5: v3(-906.26,652.15) -892.41,666 -727.13,666
  SL2 w8: -727.13,666 -710.64,666 -708.32,668.32 -699.25,668.32 v1(-696.95,670.61)
  Bottom Layer w6: v1(-1020,-1280) -1020,-1276.21 -1015.57,-1271.79 -1015.57,-1269.56 J3.26@-976.39,-1230.37
VCP_RX: R14.1 U2.C6 | length 898.8
  Top Layer w5: v3(-1162.17,600.97) U2.C6@-1149.37,613.76
  SL1 w4: -1315.71,620 -1238.21,621.19 cw(c-1237.84,597.19) -1232.43,620.57 -1230.23,620.48 ; -1228.96,620.04 -1228.39,619.9 -1192.93,614.06 -1175.26,614.06 v3(-1162.17,600.97)
  SL1 w5: -1230.23,620.48 -1229.99,620.4 cw(c-1237.5,597.08) -1228.96,620.04
  SL1 w6: v1(-1480,805) -1480,770 -1491,759 -1491,701 -1465,675 -1445.56,675 -1403.56,633 -1372.54,633 -1367.54,628 -1332.54,628 -1324.54,620 -1315.71,620
  SL2 w6: v1(-1800,695) -1745,695 -1640,800 -1540,800 -1535,805 v1(-1480,805)
  Bottom Layer w8: R14.1@-1838.19,695 v1(-1800,695)
VCP_TX: R16.1 U2.A5 | length 840.5
  Top Layer w6: v1(-1378.17,588.17) -1357.77,588.17 -1351.6,582 -1315.71,582 -1259.11,582 -1255.61,578.5 -1211.8,578.5 -1202.12,588.17 U2.A5@-1200.55,588.17
  SL1 w6: v1(-1505,785) -1505,695 -1470,660 -1449.54,660 -1416.26,626.71 -1416.26,625.8 -1378.63,588.17 v1(-1378.17,588.17)
  SL2 w6: v1(-1800,659) -1696,659 -1570,785 v1(-1505,785)
  Bottom Layer w8: R16.1@-1838.19,645 -1810.49,645 -1805.8,649.69 -1805.8,649.95 -1800,655.75 v1(-1800,659)
VDSA_ADC: J3.3 U2.P11 | length 1903
  Top Layer w5: U2.P11@-867.87,741.72 v3(-855.08,754.51)
  SL1 w6: v1(-1205,-685) -1096.11,-685 -867,-455.89 -867,165.67 -829,203.67 -829,272.67 -775.79,325.88 -775.79,417.78 -784.5,426.48 -784.5,463.93 -769.5,478.93 -769.5,634.5 -786,651 -786,724 v1(-755,755)
  SL2 w6: v3(-855.08,754.51) -755.49,754.51 v1(-755,755)
  Bottom Layer w10: J3.3@-1258.12,-734.28 -1213.84,-690 -1212.71,-690 -1207.71,-685 v1(-1205,-685)
VDSB_ADC: J3.5 U2.R8 | length 1774.5
  Top Layer w6: U2.R8@-842.28,664.94 -787.56,664.94 -768.09,684.41 v1(-768.09,684.89)
  SL1 w6: v1(-1170,-720) -1115.56,-720 -856,-460.44 -856,161.11 -818,199.11 -818,268.11 -764.79,321.32 -764.79,420.21 -775,430.42 -775,460 -760,475 -760,650 -765,655 -765,662.89 -767,664.89 -767,683.8 v1(-768.09,684.89)
  Bottom Layer w10: J3.5@-1222.76,-769.63 -1178.13,-725 -1177.71,-725 -1172.71,-720 v1(-1170,-720)
VDSC_ADC: J3.7 U2.M2 | length 1578
  Top Layer w5: U2.M2@-919.05,511.4 v3(-906.26,498.61)
  SL1 w5: v1(-920,155) -920,287.06 -914.5,292.56 -914.5,383.45 -914.5,420.56 -916,422.06 -916,444 -906.26,453.74 v3(-906.26,498.61)
  SL1 w6: v1(-1135,-755) -845,-465 -845,146.66 v1(-829.82,161.84)
  SL2 w5: v1(-920,155) -838.98,155 -832.14,161.84 v1(-829.82,161.84)
  Bottom Layer w10: J3.7@-1187.4,-804.99 -1137.42,-755 v1(-1135,-755)
VFBSMPS: C84.1 C85.1 C86.1 C87.1 C88.1 C89.1 C90.1 C91.2 C92.2 L1.2 U2.A3 U2.A4 U2.A13 U2.A14 U2.G2 U2.R13 U2.R14 | length 2463
  Top Layer w5: v3(-1059.8,498.61) U2.G2@-1047.01,511.4
  Top Layer w8: v1(-1270,502.5) -1269.09,503.41 -1269.09,529.09 C84.1@-1268.19,530 ; v1(-1265,765) -1265,792.39 C86.1@-1265.51,792.9 ; U2.A3@-1200.55,536.99 -1238.01,536.99 -1245,530 C84.1@-1268.19,530 ; U2.A4@-1200.55,562.58 -1265.77,562.58 C89.1@-1268.19,565 C84.1@-1268.19,530 ; U2.A13@-1200.55,792.9 C86.1@-1265.51,792.9 ; U2.A14@-1200.55,818.49 -1238.49,818.49 -1245,825 C88.1@-1264.37,825 -1264.37,794.04 C86.1@-1265.51,792.9 ; -1070,290 v1(-1035,290) ; U2.R13@-842.28,792.9 -783.91,792.9 C85.1@-781.81,795 -780.63,796.18 -780.63,810.59 ; U2.R14@-842.28,818.49 -821.51,818.49 -810,830 -786.43,830 -783.73,827.3 -781.75,827.3 -780.63,826.18 -780.63,810.59 ; v2(-800,810) -799.41,810.59 -780.63,810.59
  Top Layer w20: C87.1@-1290.12,327.35 -1238.94,327.35 -1238.94,286.01 -1151.01,286.01 -1150,285
  SL1 w8: v3(-1059.8,498.61) -1059.8,309.8 -1040,290 v1(-1035,290)
  SL2 w15: v1(-1270,502.5) -1269.04,503.46 -1269.04,508.41 -1268,509.45 -1268,584.67 -1269,585.67 -1269,676.61 -1265,680.61 v1(-1265,765)
  Bottom Layer w15: v1(-1270,502.5) -1270,475 -1215,420 -1215,258.79 -1206.21,250 -990,250 -832.5,407.5 -820.68,407.5 -795,433.18 -795,525 -825,555 -825,785 v2(-800,810)
  other v1: -1150,250 -1120,250 -1090,250
pads on no net: FID1.1 FID2.1 FID3.1 FID4.1 FID5.1 FID6.1 J2.0 J3.0 J4.0 J5.0 MIC1. MIC2. T1.4 T1.5 T1.12 T1.13 T2.4 T2.5 T2.12 T2.13

## Polygon pours and split planes (outlines as drawn)
GND on Bottom Layer "TC1" (solid, pour order 16): 2065,-2005 2065,1645 1240,2470 1200,2430 -2260,2430 -2260,-2005
GND on Bottom Layer "TC1" (solid, pour order 15): 385,1945 565,1945 565,1720 385,1720
5V0 on Bottom Layer "TC1" (solid, pour order 11): 595,2000 595,1799.8 675,1719.8 675.2,1720 975,1720 975,1960 935,2000
24V0 on Bottom Layer "TC1" (solid, pour order 5): 375,1590 495,1590 510,1575 555,1575 555,1685 530,1710 375,1710
1V8_ECAT on Bottom Layer "TC1" (solid, pour order 2): -905.69,1423.88 -905.69,1372.88 -915.69,1362.88 -915.69,1342.88 -815.69,1342.88 -815.69,1380.62 -825.69,1390.62 -825.69,1423.88
3v3 on Bottom Layer "TC1" (solid, pour order 3): -1029.63,1422.88 -945.69,1422.88 -945.69,1382.88 -975.69,1352.88 -975.69,1322.88 -1010.69,1287.88 -1029.63,1287.88
GND on Bottom Layer "TC1" (solid, pour order 0): -1149.37,780.1 -893.46,780.1 -893.46,536.99 -1149.37,536.99
GND on Top Layer "TC1" (solid, pour order 17): 2067.2,-2036.19 2067.2,1613.81 1242.2,2438.81 1202.2,2398.81 -2257.8,2398.81 -2257.8,-2036.19
GND on Top Layer "TC1" (solid, pour order 9): -1835,-610 -1835,-535 -1800,-500 -1755,-500 -1755,-400 -1795,-400 -1795,-455 -1880,-540 -1880,-610
NetC45_2 on Top Layer "TC1" (solid, pour order 4): 675,1730 790,1730 830,1770 830,1810 780,1810 730,1860 725,1855 560,1855 530,1825 530,1795 675,1795
3v3 on Top Layer "TC1" (solid, pour order 14): -1330,-275 -1255,-200 -1255,15 -1225,45 -1075,45 -1075,-655 -1230,-655 -1230,-605 -1330,-505
VFBSMPS on Top Layer "TC1" (solid, pour order 13): -1171.02,312.19 -1050.94,312.19 -1050.94,235.94 -1050,235 -1170,235
24V0 on Top Layer "TC1" (solid, pour order 12): -1835,-175 -1790,-220 -1790,-265 -1760,-265 -1760,-145 -1795,-145 -1800,-140 -1800,-90 -1835,-90
5V0 on Top Layer "TC1" (solid, pour order 10): 595,1890 595,2000 770,2000 790,1980 790,1889.44
NetC97_2 on Top Layer "TC1" (solid, pour order 8): -1745,-410 -1670,-335 -1605,-335 -1605,-525 -1715,-635 -1820,-635 -1820,-525 -1800,-505 -1745,-505
GND on Top Layer "TC1" (solid, pour order 7): 675,1680 770,1680 770,1660 795,1635 835,1635 835,1720 675,1720
24V0 on Top Layer "TC1" (solid, pour order 6): 375,1710 530,1710 540,1700 540,1675 465,1675 430,1640 430,1600 375,1600
GND on Top Layer "TC1" (solid, pour order 1): -1149.37,780.1 -893.46,780.1 -893.46,536.99 -1149.37,536.99
3v3 on PWR (split plane): 299 vertices, not listed, extent -2096.14,-1891.1 1549.9,2096.14
GND on PWR (split plane): -245.1,1262.89 -245.1,1215 -244.71,1213.05 -243.6,1211.4 -223.6,1191.4 -221.95,1190.29 -220,1189.9 179.9,1189.9 179.9,1092.11 166.4,1078.6 165.29,1076.95 164.9,1075 164.9,1022.11 82.89,940.1 -292.89,940.1 -564.9,1212.11 -564.9,1237.89 -542.89,1259.9 -495,1259.9 -493.05,1260.29 -491.4,1261.4 -462.89,1289.9 -272.11,1289.9
GND on GND (split plane): 302 vertices, not listed, extent -2096.14,-1891.1 1549.9,2096.14
AGND on GND (split plane): -735.1,-1077.11 -735.1,-1197.89 -912.11,-1374.9 -1160,-1374.9 -1161.95,-1375.29 -1163.6,-1376.4 -1342.11,-1554.9 -1405.6,-1554.9 -1424.33,-1537.88 -1453.53,-1510.31 -1482.19,-1482.19 -1510.31,-1453.53 -1537.88,-1424.33 -1564.88,-1394.61 -1591.3,-1364.38 -1617.15,-1333.65 -1642.4,-1302.43 -1667.04,-1270.73 -1691.08,-1238.57 -1714.49,-1205.95 -1737.28,-1172.89 -1759.43,-1139.39 -1780.93,-1105.48 -1801.78,-1071.17 -1821.96,-1036.46 -1829.93,-1022.14 -1452.89,-645.1 -1167.11,-645.1

## Other copper
SL2:
  region net 5V0: 635,1990 610,1990 610,1965 635,1965
Bottom Layer:
  region net 24V0: 435,1648.75 335,1648.75 335,1590 435,1590
GND (plane layer: these items are gaps in the copper):
  region: -983.03,805.69 -1008.62,805.69 -1008.62,780.1 -983.03,780.1
  region: -931.85,831.28 -957.44,831.28 -957.44,805.69 -931.85,805.69
  region: -906.26,831.28 -931.85,831.28 -931.85,780.1 -906.26,780.1
  region: -880.67,831.28 -906.26,831.28 -906.26,754.51 -880.67,754.51
  region: -855.08,831.28 -880.67,831.28 -880.67,703.33 -855.08,703.33
  region: -880.67,575.38 -906.26,575.38 -906.26,549.79 -880.67,549.79
  region: -880.67,652.15 -906.26,652.15 -906.26,626.56 -880.67,626.56
  region: -855.08,652.15 -880.67,652.15 -880.67,549.79 -855.08,549.79
  region: -855.08,524.2 -931.85,524.2 -931.85,498.61 -855.08,498.61
  region: -855.08,549.79 -983.03,549.79 -983.03,524.2 -855.08,524.2
  region: -1034.21,524.2 -1059.8,524.2 -1059.8,498.61 -1034.21,498.61
  region: -1110.98,524.2 -1136.57,524.2 -1136.57,498.61 -1110.98,498.61
  region: -1034.21,549.79 -1136.57,549.79 -1136.57,524.2 -1034.21,524.2
  region: -1136.57,575.38 -1162.17,575.38 -1162.17,524.2 -1136.57,524.2
  region: -1162.17,626.56 -1187.76,626.56 -1187.76,524.2 -1162.17,524.2
  region: -1110.98,805.69 -1136.57,805.69 -1136.57,780.1 -1110.98,780.1
  region: -1136.57,805.69 -1162.17,805.69 -1162.17,754.51 -1136.57,754.51
  region: -1136.57,703.33 -1162.17,703.33 -1162.17,677.74 -1136.57,677.74
  region: -1162.17,805.69 -1187.76,805.69 -1187.76,677.74 -1162.17,677.74
  region: -1059.8,831.28 -1187.76,831.28 -1187.76,805.69 -1059.8,805.69
  lines w10: -1815,-1085 -1857.5,-1042.5 -1455,-640 -1165,-640 -730,-1075 -730,-1200 -910,-1380 -1160,-1380 -1340,-1560 -1430,-1560
PWR (plane layer: these items are gaps in the copper):
  region: -957.44,805.69 -983.03,805.69 -983.03,780.1 -957.44,780.1
  region: -906.26,831.28 -1008.62,831.28 -1008.62,805.69 -906.26,805.69
  region: -880.67,831.28 -906.26,831.28 -906.26,728.92 -880.67,728.92
  region: -855.08,831.28 -880.67,831.28 -880.67,703.33 -855.08,703.33
  region: -880.67,652.15 -906.26,652.15 -906.26,600.97 -880.67,600.97
  region: -855.08,652.15 -880.67,652.15 -880.67,549.79 -855.08,549.79
  region: -855.08,549.79 -931.85,549.79 -931.85,524.2 -855.08,524.2
  region: -855.08,524.2 -983.03,524.2 -983.03,498.61 -855.08,498.61
  region: -1034.21,524.2 -1085.39,524.2 -1085.39,498.61 -1034.21,498.61
  region: -983.03,703.33 -1085.39,703.33 -1085.39,652.15 -983.03,652.15
  region: -1110.98,831.28 -1136.57,831.28 -1136.57,805.69 -1110.98,805.69
  region: -1136.57,831.28 -1162.17,831.28 -1162.17,780.1 -1136.57,780.1
  region: -1162.17,831.28 -1187.76,831.28 -1187.76,728.92 -1162.17,728.92
  region: -1136.57,728.92 -1187.76,728.92 -1187.76,677.74 -1136.57,677.74
  region: -1136.57,626.56 -1162.17,626.56 -1162.17,600.97 -1136.57,600.97
  region: -1136.57,549.79 -1162.17,549.79 -1162.17,524.2 -1136.57,524.2
  region: -1136.57,524.2 -1162.17,524.2 -1162.17,498.61 -1136.57,498.61
  region: -1162.17,626.56 -1187.76,626.56 -1187.76,498.61 -1162.17,498.61
  lines w10: -570,1210 -295,935 85,935 170,1020 170,1075 185,1090 185,1195 -220,1195 -240,1215 -240,1265 -270,1295 -465,1295 -495,1265 -545,1265 -570,1240 -570,1210

## Silkscreen, mask and mechanical layers (free items; w line width, h text height)
Top Overlay:
  region: -340,-600 -584.7,-485.89 -884.81,-1129.47 -640.1,-1243.58
  text "DNP" at -438,1854 h39.37
  text "MCLK" at -1124.53,1695.47 h60 r315
  text "ERR" at -1240,1510 h60 r315
  text "ACT0" at -1279.53,1480.47 h60 r315
  text "ACT1" at -1319.53,1440.47 h60 r315
  text "ECAT0 (IN)" at 515,1436.27 h60
  text "ECAT1 (OUT)" at 1010,1436.27 h60
  text "n/a" at 421,1402.44 h39.37
  text "n/a" at 970,1402.44 h39.37
  text "BR" at 1068,1402 h39.37
  text "B" at 1195,1402 h39.37
  text "G" at 1294,1402.44 h39.37
  text "O" at 1395,1402.44 h39.37
  text "BR" at 516,1401 h39.37
  text "B" at 643,1401 h39.37
  text "G" at 742,1401.44 h39.37
  text "O" at 844,1401.44 h39.37
  text "RUN" at -1359.53,1390.47 h60 r315
  text "g" at 1295,1309.41 h39.37
  text "g" at 746,1308.41 h39.37
  text "n/a" at 974,1307.44 h39.37
  text "br" at 1091.71,1307.42 h39.37
  text "b" at 1196,1307.42 h39.37
  text "o" at 1404,1307.42 h39.37
  text "n/a" at 422,1306.44 h39.37
  text "br" at 539.71,1306.42 h39.37
  text "b" at 644,1306.42 h39.37
  text "o" at 852,1306.42 h39.37
  text "IRQ" at -1374.27,1262.77 h60
  text "GND" at -419.58,800.73 h60 r90
  text "BLINKY1" at -1890,20 h60
  text "BLINKY2" at -1890,-20 h60
  text "DO NOT  / TOUCH MIC" at -1630,-145 h39.37
  text "AGND" at -1740.68,-1004.01 h60
  text "Corinna Cortes" at -894,-1077 h60 r65
Bottom Overlay:
  text "n/a" at 1100,1405.44 h39.37
  text "n/a" at 549,1404.44 h39.37
  text "BR" at 1203,1402 h39.37
  text "B" at 1276,1402 h39.37
  text "BR" at 655,1401 h39.37
  text "B" at 734,1398 h39.37
  text "G" at 826,1398.44 h39.37
  text "O" at 929,1398.44 h39.37
  text "G" at 1380,1398.44 h39.37
  text "O" at 1472,1398.44 h39.37
  text "n/a" at 542,1311.44 h39.37
  text "n/a" at 1087,1309.44 h39.37
  text "g" at 823,1308.41 h39.37
  text "g" at 1371,1307.41 h39.37
  text "br" at 633,1306.42 h39.37
  text "b" at 726,1306.42 h39.37
  text "o" at 924,1305.42 h39.37
  text "br" at 1179,1305.42 h39.37
  text "b" at 1269,1305.42 h39.37
  text "o" at 1477,1305.42 h39.37
  text "DO NOT  / TOUCH MIC" at -1385,-125 h39.37
(M3) Board Outline:
  lines w10: 196.23,639.88 414.5,900 431,900 1570,900 1570,1418.91 ; 196.27,639.87 ccw(c0,0) -282.85,-606.58 -894.32,-1917.88 cw(c0,0) 1569.95,1418.91

## Text inside footprints (layer, text, board x,y; h text height)
D24: (M1) Top Assembly "K" at 800,1835 h39.37 r270; Top Overlay "K" at 800,1835 h39.37 r270
FB4: (M1) Top Assembly "5" at -807.99,370 h31.5; (M1) Top Assembly "1" at -927.99,370 h31.5; (M1) Top Assembly "4" at -935,270 h31.5; (M1) Top Assembly "8" at -807.99,270 h31.5; Top Overlay "1" at -927.99,370 h31.5; Top Overlay "4" at -935,270 h31.5; Top Overlay "8" at -807.99,270 h31.5; Top Overlay "5" at -807.99,370 h31.5
J1: (M1) Top Assembly "20" at -1747.98,117.85 h59.06 r75; (M1) Top Assembly "1" at -1630.64,729.47 h59.06 r75; Top Overlay "20" at -1750.01,110.25 h59.06 r75; Top Overlay "1" at -1604.7,743.83 h59.06 r75
J2: (M2) Bottom Assembly "30" at -317.99,1843.62 h49.21; (M2) Bottom Assembly "29" at -321.26,1507.95 h49.21; (M2) Bottom Assembly "1" at 359.33,1507.76 h49.21; (M2) Bottom Assembly "2" at 366.69,1843.03 h49.21; Bottom Overlay "1" at 359.33,1507.76 h49.21; Bottom Overlay "2" at 366.69,1843.03 h49.21
J3: (M2) Bottom Assembly "30" at -976.27,-1326.41 h49.21 r135; (M2) Bottom Assembly "29" at -736.61,-1091.37 h49.21 r135; (M2) Bottom Assembly "1" at -1217.72,-609.98 h49.21 r135; (M2) Bottom Assembly "2" at -1460,-841.85 h49.21 r135; Bottom Overlay "30" at -976.27,-1326.41 h49.21 r135; Bottom Overlay "29" at -736.61,-1091.37 h49.21 r135; Bottom Overlay "1" at -1217.72,-609.98 h49.21 r135; Bottom Overlay "2" at -1460,-841.85 h49.21 r135
LED1: (M1) Top Assembly "K" at -2054.22,-9.68 h19.68; Top Overlay "K" at -2054.22,-9.68 h19.68
LED2: (M1) Top Assembly "K" at -2054.48,-69.68 h19.68; Top Overlay "K" at -2054.48,-69.68 h19.68
LED3: (M1) Top Assembly "K" at -1332.58,1568.88 h19.68 r315; Top Overlay "K" at -1332.58,1568.88 h19.68 r315
LED4: (M1) Top Assembly "K" at -1382.58,1518.88 h19.68 r315; Top Overlay "K" at -1382.58,1518.88 h19.68 r315
LED5: (M1) Top Assembly "K" at -1432.58,1468.88 h19.68 r315; Top Overlay "K" at -1432.58,1468.88 h19.68 r315
LED6: (M1) Top Assembly "K" at -1282.58,1618.88 h19.68 r315; Top Overlay "K" at -1282.58,1618.88 h19.68 r315
LED7: (M1) Top Assembly "K" at 266.8,806.89 h19.68 r135; Top Overlay "K" at 266.8,806.89 h19.68 r135
LED8: (M1) Top Assembly "K" at 311.8,851.89 h19.68 r135; Top Overlay "K" at 311.8,851.89 h19.68 r135
LED9: (M1) Top Assembly "K" at 356.8,896.89 h19.68 r135; Top Overlay "K" at 356.8,896.89 h19.68 r135